# Altium PCB controllerboard 3.PcbDoc
Units mm, origin at the board's own origin, x right, y up, seen from the top; angles counter-clockwise.
Board outline 78.75 x 40.5 mm, 4 copper layers (Top Layer, Int1 (GND), Int2 (PWR), Bottom Layer), stack 1.591 mm thick; 84 components, 71 nets, 342 pads, 177 vias.
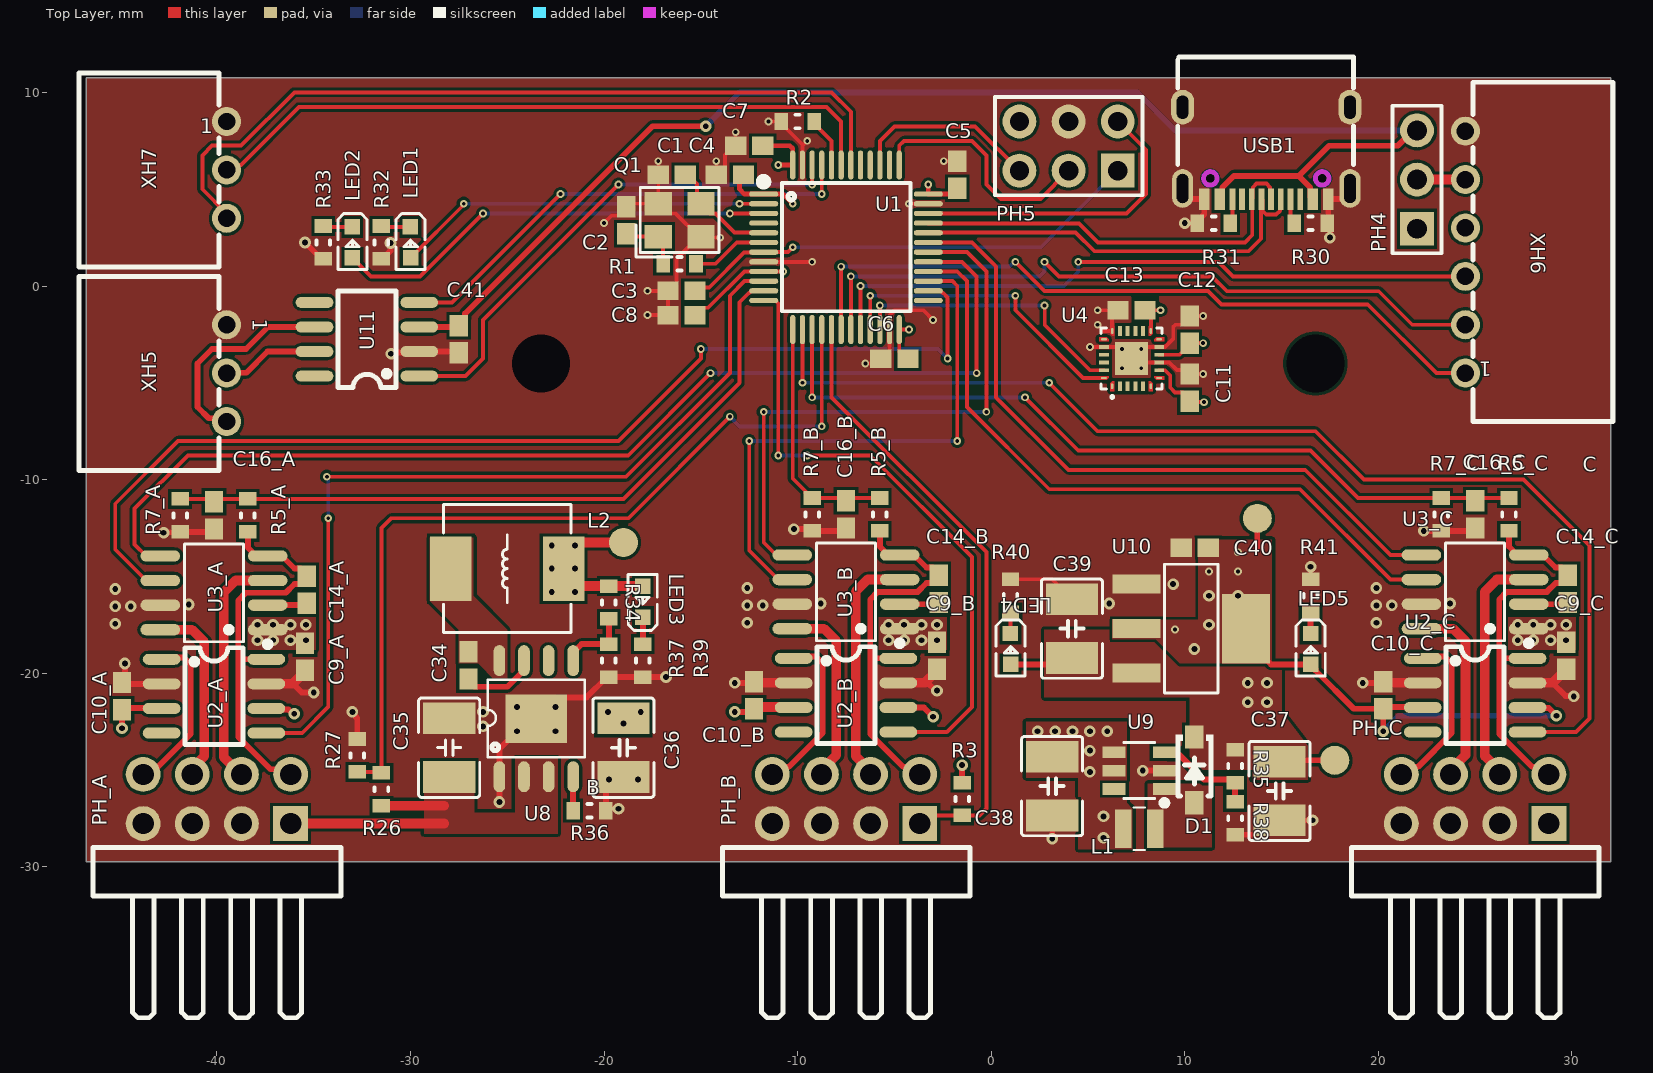
[diagram p0: Top Layer view]
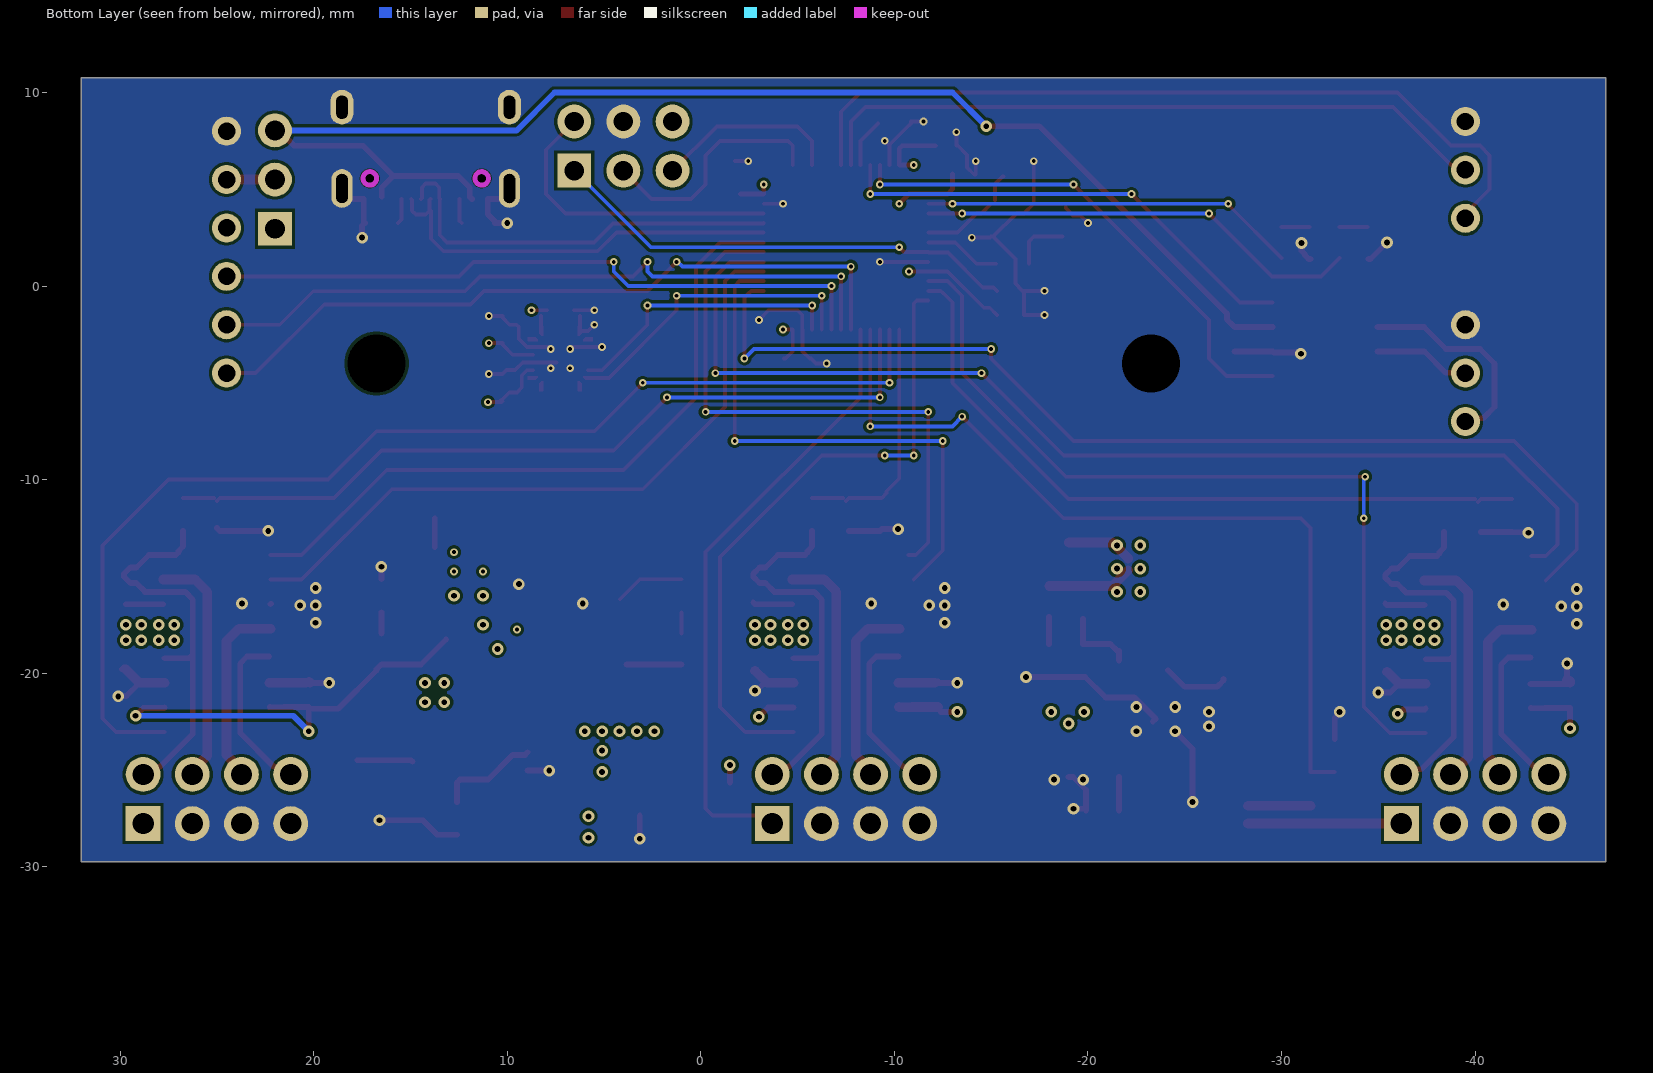
[diagram p1: Bottom Layer view, seen from below]
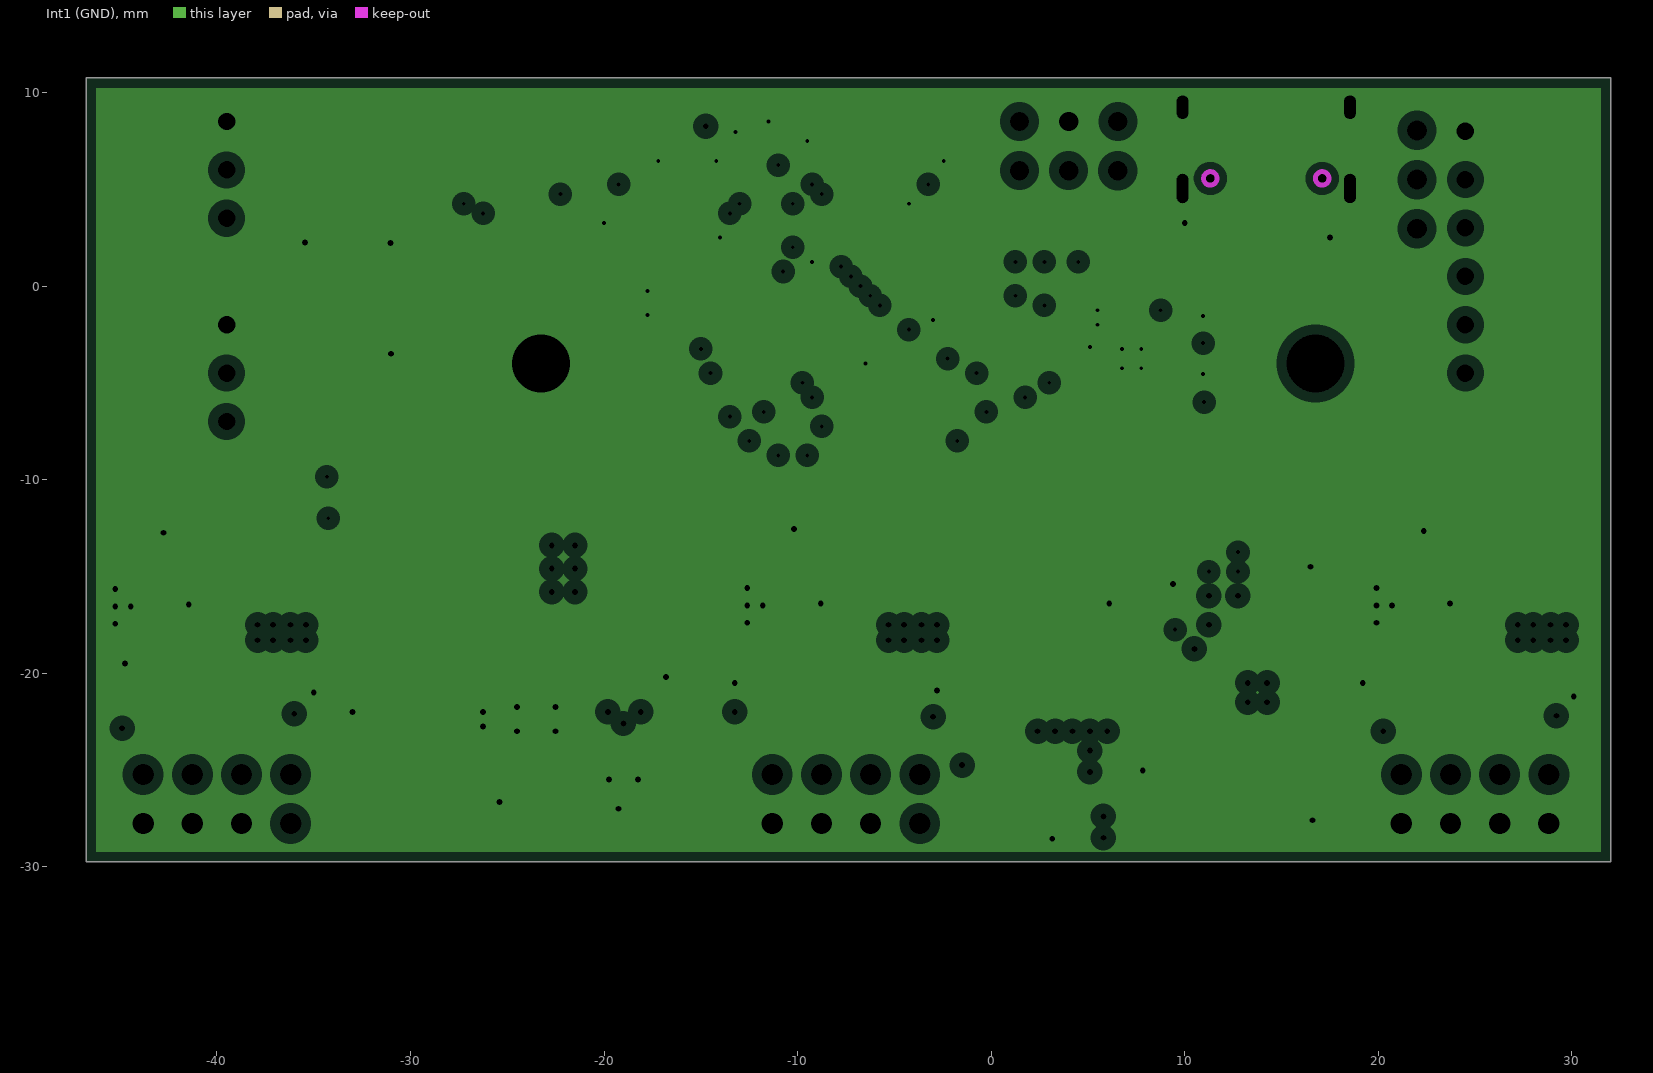
[diagram p2: Int1 (GND), clearances drawn from the general rule]
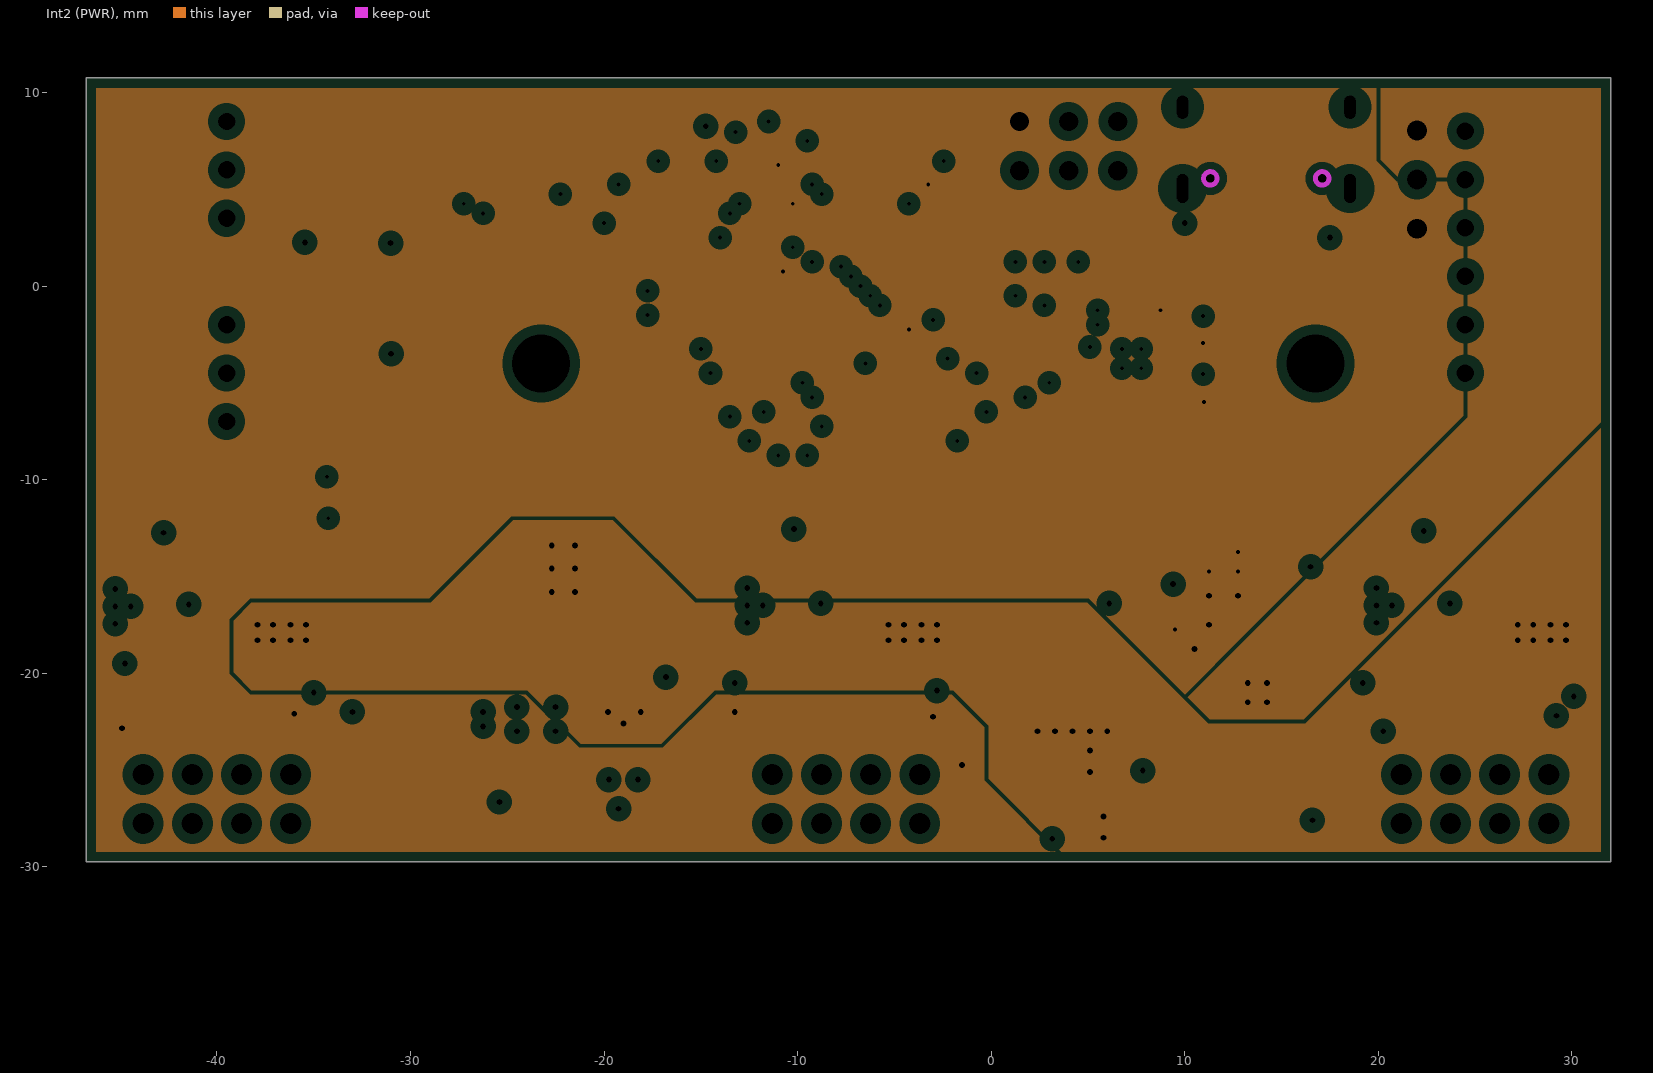
[diagram p3: Int2 (PWR), clearances drawn from the general rule]
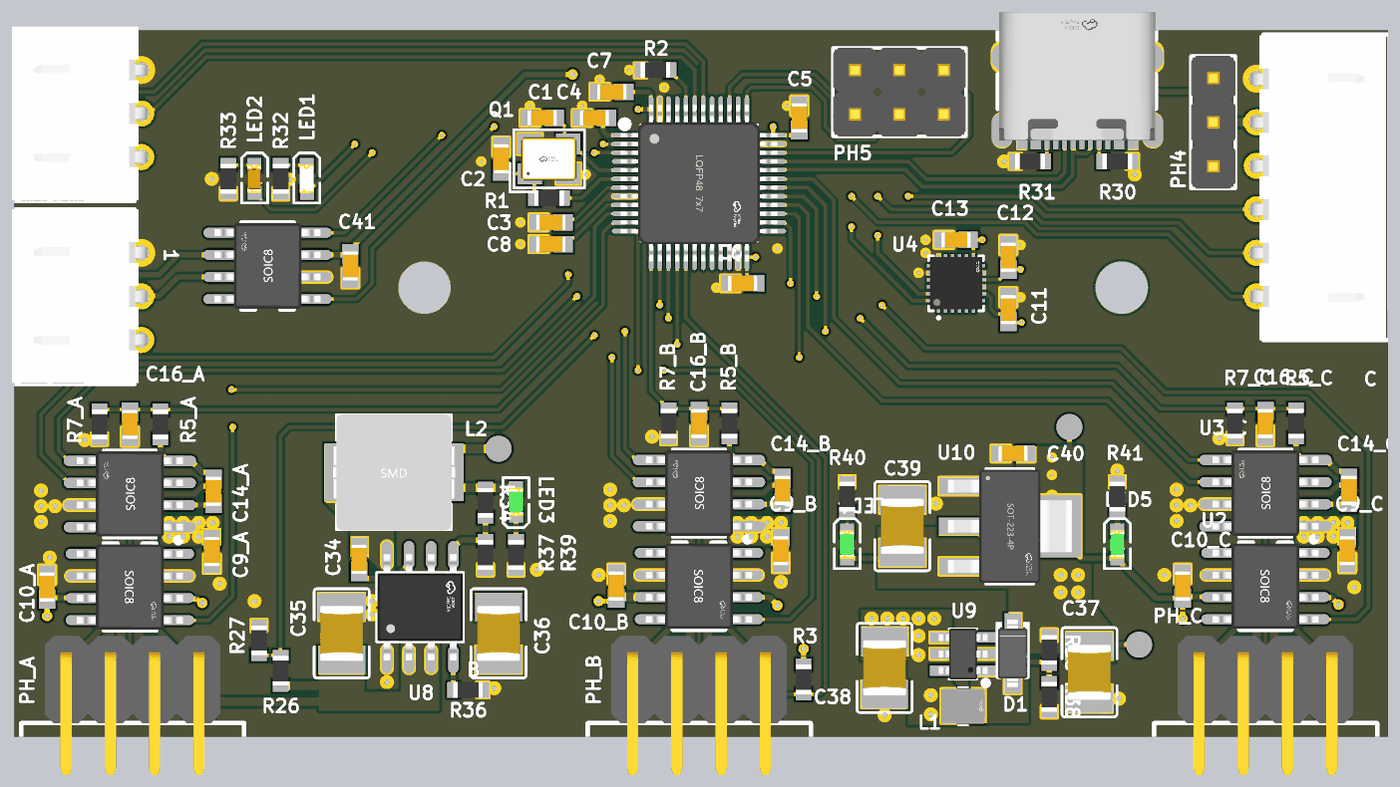
[diagram p4: 3D render of the assembled board from above, using the file's embedded part models]

## Layer stack, top to bottom
Top Solder: solder mask 0.0254, SM-001, Dk 4
Top Layer: signal copper 0.035
Dielectric 1: prepreg 0.2104, PP-017, Dk 4.4
Int1 (GND): plane copper 0.0175, net GND
Dielectric 3: core 1.065, Core-039, Dk 4.6
Int2 (PWR): plane copper 0.0175, net (Multiple Nets)
Dielectric 5: prepreg 0.2104, PP-017, Dk 4.4
Bottom Layer: signal copper 0.035
Bottom Solder: solder mask 0.0254, SM-001, Dk 4

## Board outline
-46.75,-29.75 -46.75,10.75 32,10.75 32,-29.75

## Design rules (kind name [scope] priority, off if disabled: settings)
Clearance [All] p1: gap=0.15 ignorepadtopadclearanceinfootprint=FALSE except(0: Arc-Hole Track-Hole SMDPad-Hole THPad-Hole Via-Hole Fill-Hole Poly-Hole Region-Hole Text-Hole)
DiffPairsRouting [All] p1: maxlimit=0.254 minlimit=0.2 mostfreqgap=0.254 toplayer_minwidth=0.2 toplayer_maxwidth=0.3 toplayer_prefwidth=0.2 bottomlayer_minwidth=0.2 bottomlayer_maxwidth=0.3 bottomlayer_prefwidth=0.2 maxuncoupledlength=12.7
MinimumSolderMaskSliver [All] p1: minsoldermaskwidth=0.075
PlaneClearance [All] p1: clearance=0.508
PlaneConnect [All] p1: planeconnectstyle=Direct reliefexpansion=0.508 reliefentries=4 reliefconductorwidth=0.254 reliefairgap=0.254
PolygonConnect [All] p1: connectstyle=Direct reliefconductorwidth=0.254 reliefentries=4 polygonreliefangle="90 Angle" airgapwidth=0.254
RoomDefinition C [InComponentClass('C')] p1: confinementstyle=ConfineIn formatcopy=TRUE lockcomponents=FALSE outline 17.5,-40 32.5,-40 32.5,-10 17.5,-10
RoomDefinition STM32 [InComponentClass('STM32')] p2: confinementstyle=ConfineIn formatcopy=TRUE lockcomponents=FALSE outline -20,-7.5 2.5,-7.5 2.5,11 -20,11
RoomDefinition A [InComponentClass('A')] p3: confinementstyle=ConfineIn formatcopy=TRUE lockcomponents=FALSE outline -47.5,-40 -32.5,-40 -32.5,-10 -47.5,-10
RoomDefinition B [InComponentClass('B')] p4: confinementstyle=ConfineIn formatcopy=TRUE lockcomponents=FALSE outline -15,-40 0,-40 0,-10 -15,-10
RoomDefinition LINREG [InComponentClass('LINREG')] p5: confinementstyle=ConfineIn formatcopy=TRUE lockcomponents=FALSE outline 2.02,-12.021 2.02,-22.021 15.52,-22.021 15.52,-12.021
RoomDefinition DCDC5 [InComponentClass('DCDC5')] p6: confinementstyle=ConfineIn formatcopy=TRUE lockcomponents=FALSE outline 0,-22.5 0,-30 17.5,-30 17.5,-22.5
RoomDefinition DCDC100 [InComponentClass('DCDC100')] p7: confinementstyle=ConfineIn formatcopy=TRUE lockcomponents=FALSE outline -30.085,-28.25 -17.085,-28.25 -17.085,-10.75 -30.085,-10.75
RoutingVias [All] p1: holewidth=0.5 width=1 viastyle="Through Hole" minholewidth=0.2 minwidth=0.4 maxholewidth=1 maxwidth=2
SilkToSilkClearance [All] p1: silktosilkclearance=0.15
SilkToSolderMaskClearance [IsPad] p1: minsilkscreentomaskgap=0.15 clearancetoexposedcopper=TRUE
SolderMaskExpansion [All] p1: expansion=0.102 istentingtop=FALSE
Width [All] p1: maxlimit=1 minlimit=0.15 preferedwidth=0.3
24 further rules are at their usual default settings.

## Classes and differential pairs
component class GYRO: C11 C12 C13 U4
channel class driver: A B C
component class C: C9_C C10_C C14_C C16_C PH_C R5_C R7_C U2_C U3_C
component class B: C9_B C10_B C14_B C16_B PH_B R5_B R7_B U2_B U3_B
component class A: C9_A C10_A C14_A C16_A PH_A R5_A R7_A U2_A U3_A
component class LINREG: C39 C40 U10
component class DCDC100: C34 C35 C36 L2 R34 R36 R37 U8
component class DCDC5: C37 C38 D1 L1 R35 R38 U9
component class STM32: C1 C2 C3 C4 C5 C6 C7 C8 Q1 R1 R2 U1
component class Power: C34 C35 C36 C37 C38 C39 C40 D1 L1 L2 LED3 LED4 LED5 R34 R35 R36 R37 R38 R39 R40 R41 U8 U9 U10
component class Overview: LED1 LED2 PH4 PH5 PH_A PH_B PH_C R3 R26 R27 R30 R31 R32 R33 USB1 XH5 XH6 XH7
component class CAN: C41 U11
differential pair USB: +USB_P -USB_N

## Components (designator, comment, footprint, x,y, rotation, side; value= is the part's Value field where it differs from the comment)
C1 "10p" CAP_0603 -16.5,5.75 r0 top
C2 "10p" CAP_0603 -18.85,3.4 r270 top
C3 "100n" CAP_0603 -16,-0.25 r0 top
C4 "1u" CAP_0603 -13.5,5.75 r0 top
C5 "100n" CAP_0603 -1.75,5.75 r270 top
C6 "100n" CAP_0603 -5,-3.75 r0 top
C7 "100n" CAP_0603 -12.5,7.25 r0 top
C8 "100n" CAP_0603 -16,-1.5 r0 top
C9_A "1u 12V" CAP_0603 -35.45,-19.15 r270 top (schematic designator C9)
C9_B "1u 12V" CAP_0603 -2.8,-19.1 r270 top (schematic designator C9)
C9_C "1u 12V" CAP_0603 29.7,-19.1 r270 top (schematic designator C9)
C10_A "100n" CAP_0603 -44.9,-21.187 r270 top (schematic designator C10)
C10_B "100n" CAP_0603 -12.25,-21.137 r270 top (schematic designator C10)
C10_C "100n" CAP_0603 20.25,-21.137 r270 top (schematic designator C10)
C11 "10n" CAP_0603 10.25,-5.25 r270 top
C12 "100n" CAP_0603 10.25,-2.25 r270 top
C13 "100n" CAP_0603 7.25,-1.25 r0 top
C14_A "100n 100V" CAP_0603 -35.355,-15.695 r270 top (schematic designator C14)
C14_B "100n 100V" CAP_0603 -2.705,-15.645 r270 top (schematic designator C14)
C14_C "100n 100V" CAP_0603 29.795,-15.645 r270 top (schematic designator C14)
C16_A "100n" CAP_0603 -40.15,-11.85 r90 top (schematic designator C16)
C16_B "100n" CAP_0603 -7.5,-11.8 r90 top (schematic designator C16)
C16_C "100n" CAP_0603 25,-11.8 r90 top (schematic designator C16)
C34 "2n2" CAP_0603 -27,-19.6 r90 top
C35 "4u7" FS32X475K101EGG -28,-23.85 r270 top
C36 "16V 47u" CAP_1210 -19,-23.85 r90 top
C37 "16V 47u" CAP_1210 14.9,-26.085 r90 top
C38 "16V 47u" CAP_1210 3.15,-25.835 r90 top
C39 "16V 47u" CAP_1210 4.17,-17.7 r270 top
C40 "10u" CAP_0603 10.52,-13.521 r0 top
C41 "100n" CAP_0603 -27.5,-2.75 r90 top
D1 "NRVB130T1G" NRVB130T1G 10.5,-25 r270 top
L1 "IND_4u7" FTC252010S4R7MBCA 7.65,-28.035 r0 top
L2 "68u" SMMS0650-680M -25,-14.6 r0 top
LED1 "WHITE_0603" WHITE_0603 -30,2.25 r270 top
LED2 "RED_0603" RED_0603 -33,2.25 r270 top
LED3 "GREEN_0603" GREEN_0603 -17.996,-16.299 r90 top
LED4 "GREEN_0603" GREEN_0603 1,-18.75 r270 top
LED5 "GREEN_0603" GREEN_0603 16.5,-18.75 r270 top
PH4 "HALL_VOLT" PH_1x3 22,2.96 r90 top
PH5 "PH_2x3" PH_2x3 6.54,5.96 r180 top
PH_A "PHASE_A" PH_2x4_M -40,-26.5 r0 top
PH_B "PHASE_B" PH_2x4_M -7.5,-26.5 r0 top
PH_C "PHASE_C" PH_2x4_M 25,-26.5 r0 top
Q1 "OSC_24M" OSC_24M -16.1,3.4 r0 top
R1 "22R" RES_0603 -16.1,1.15 r0 top
R2 "0R" RES_0603 -10,8.5 r0 top
R3 "10k" RES_0603 -1.5,-26.5 r90 top
R5_A "56k" RES_0603 -38.4,-11.85 r270 top (schematic designator R5)
R5_B "56k" RES_0603 -5.75,-11.8 r270 top (schematic designator R5)
R5_C "56k" RES_0603 26.75,-11.8 r270 top (schematic designator R5)
R7_A "1k8" RES_0603 -41.9,-11.85 r90 top (schematic designator R7)
R7_B "1k8" RES_0603 -9.25,-11.8 r90 top (schematic designator R7)
R7_C "1k8" RES_0603 23.25,-11.8 r90 top (schematic designator R7)
R26 "100k" RES_0603 -31.5,-26 r270 top
R27 "3k3" RES_0603 -32.75,-24.25 r270 top
R30 "5k1" RES_0603 16.5,3.25 r0 top
R31 "5k1" RES_0603 11.5,3.25 r180 top
R32 "30R" RES_0603 -31.5,2.25 r90 top
R33 "30R" RES_0603 -34.5,2.25 r90 top
R34 "448k" RES_0603 -19.75,-16.35 r90 top
R35 "110k" RES_0603 12.6,-24.8 r90 top
R36 "100k" RES_0603 -20.75,-27.1 r180 top
R37 "49k9" RES_0603 -19.75,-19.35 r90 top
R38 "15k" RES_0603 12.6,-27.5 r90 top
R39 "465R" RES_0603 -18,-19.35 r90 top
R40 "115R" RES_0603 1,-16 r270 top
R41 "30R" RES_0603 16.5,-16 r270 top
U1 "STM32F103CBT6" STM32F103CBT6 -7.5,2 r270 top
U2_A "INA240A1DR" INA240A1DR -40.15,-21.187 r270 top (schematic designator U2)
U2_B "INA240A1DR" INA240A1DR -7.5,-21.137 r270 top (schematic designator U2)
U2_C "INA240A1DR" INA240A1DR 25,-21.137 r270 top (schematic designator U2)
U3_A "UCC27282DR" UCC27282DR -40.15,-15.85 r90 top (schematic designator U3)
U3_B "UCC27282DR" UCC27282DR -7.5,-15.8 r90 top (schematic designator U3)
U3_C "UCC27282DR" UCC27282DR 25,-15.8 r90 top (schematic designator U3)
U4 "MPU-6500" MPU-6500 7.25,-3.75 r0 top
U8 "LM5164DDAR" LM5164DDAR -23.501,-22.35 r0 top
U9 "MT3608L" MT3608L 7.65,-25.035 r90 top
U10 "AMS1117-3.3" AMS1117-3.3 10.335,-17.7 r180 top
U11 "TJA1050T/CM,118" TJA1050T/CM,118 -32.25,-2.75 r90 top
USB1 "USB_C" USB_C 14.5,8 r180 top
XH5 "CAN" XY-XHB2.54-3A21 -39.5,-4.5 r270 top
XH6 "HALL" XY-XHB2.54-6A21 24.5,1.75 r90 top
XH7 "USART" XY-XHB2.54-3A21 -39.5,6 r270 top

## Footprints (in the part's own frame and the unit in brackets; to place one, negate y for a bottom-side part, rotate by r counter-clockwise, add the part's x,y. Pads: shape width x height; smd on the part's side, far side on the other; paste and mask are expansions set on the pad)
AMS1117-3.3 [mm] "1A 60dB@(120Hz) Fixed 3.3V Positive electrode 12V SOT-223 Voltage Regulators - Linear, Low Drop Out (LDO) Regulators ROHS"
  rect 2.47x0.98 smd: 1(2.835,-2.3) 2(2.835,0) 3(2.835,2.3)
  rect 2.47x3.6 smd: 4(-2.835,0)
  silkscreen extent -1.37,-3.33 1.37,3.33, body extent -3.55,-3.25 3.55,3.25, height 1.7
CAP_0603 [mm] "Capacitor SMD 0603 Generic"
  rect 1.1x0.95 smd: 1(-0.7,0) 2(0.7,0)
  body extent -0.85,-0.45 0.85,0.45, height 0.9
CAP_1210 [mm] "16V 47uF X5R ±10% 1210 Multilayer Ceramic Capacitors MLCC - SMD/SMT ROHS"
  rect 1.635x2.7 smd paste-100 mask+0.051: 1(-1.517,0) 2(1.517,0)
  silkscreen extent -2.56,-1.58 2.56,1.58, body extent -1.6,-1.25 1.6,1.25, height 2.5
FS32X475K101EGG [mm] "100V 4.7uF X7R ±10% 1210 Multilayer Ceramic Capacitors MLCC - SMD/SMT ROHS"
  rect 1.635x2.7 smd paste-100 mask+0.051: 1(-1.517,0) 2(1.517,0)
  silkscreen extent -2.56,-1.58 2.56,1.58, body extent -1.6,-1.25 1.6,1.25, height 2.5
FTC252010S4R7MBCA [mm] "2A 4.7uH Integrated molded inductor ±20% 2.6A SMD,2x2.5mm Power Inductors ROHS"
  rect 0.85x2 smd: 1(-0.83,0) 2(0.83,0)
  silkscreen extent -0.29,-1.1 0.29,1.1, body extent -1.25,-1 1.25,1, height 1.21
GREEN_0603 [mm] "20mA 810mcd Colorless Transparent Lens Independent Diode 515nm~535nm -20?~+85? Positive Stick Emerald 120° 70mW 3.3V 0603 LED Indication - Discrete ROHS"
  rect 0.8x0.8 smd paste+0 mask+0.051: 1(-0.799,-0.004) 2(0.799,0.004)
  silkscreen extent -1.49,-0.75 1.39,0.76, body extent -0.81,-0.41 0.81,0.4, height 0.61
INA240A1DR [mil]
  oval 22.38x76.78 smd: 1(-75,-106.5) 2(-25,-106.5) 3(25,-106.5) 4(75,-106.5) 5(75,106.5) 6(25,106.5) 7(-25,106.5) 8(-75,106.5)
  silkscreen extent -98,-59 98,59, body extent -96,-120 96,120, height 69
LM5164DDAR [mm] "Step-down type 1A 6V~100V SO-8-EP DC-DC Converters ROHS"
  oval 0.6x1.6 smd: 1(-1.905,-3) 2(-0.635,-3) 3(0.635,-3) 4(1.905,-3) 5(1.905,3) 6(0.635,3) 7(-0.635,3) 8(-1.905,3)
  rect 3.2x2.5 smd: 9(0,0)
  silkscreen extent -2.5,-2 2.5,2, body extent -2.45,-3.05 2.45,3.05, height 1.6
MPU-6500 [mm]
  oval 0.12x0.303 smd: 1(-1,-1.427) 6(1,-1.427) 13(1,1.427) 18(-1,1.427)
  rect 0.2x0.505 smd paste-100 mask+0.051: 2(-0.6,-1.427) 3(-0.2,-1.427) 4(0.2,-1.427) 5(0.6,-1.427) 14(0.6,1.427) 15(0.2,1.427) 16(-0.2,1.427) 17(-0.6,1.427)
  oval 0.303x0.12 smd: 7(1.427,-1) 12(1.427,1) 19(-1.427,1) 24(-1.427,-1)
  rect 0.505x0.2 smd paste-100 mask+0.051: 8(1.427,-0.6) 9(1.427,-0.2) 10(1.427,0.2) 11(1.427,0.6) 20(-1.427,0.6) 21(-1.427,0.2) 22(-1.427,-0.2) 23(-1.427,-0.6)
  rect 1.7x1.7 smd paste-100 mask+0.051: 25(0,0)
  Top Layer region: -1.68,1.1 -1.274,1.1 -1.174,1 -1.175,0.9 -1.68,0.9 -1.68,1.1
  Top Layer region: 1.1,-1.68 0.9,-1.68 0.9,-1.175 1,-1.175 1.1,-1.275 1.1,-1.68
  Top Layer region: -1.1,-1.68 -1.1,-1.275 -1,-1.174 -0.9,-1.175 -0.9,-1.68 -1.1,-1.68
  Top Layer region: 1.1,1.68 1.1,1.274 1,1.174 0.9,1.175 0.9,1.68 1.1,1.68
  Top Layer region: 1.68,1.1 1.68,0.9 1.175,0.9 1.174,1 1.274,1.1 1.68,1.1
  Top Layer region: 1.68,-1.1 1.275,-1.1 1.175,-1 1.175,-0.9 1.68,-0.9 1.68,-1.1
  Top Layer region: -1.68,-1.1 -1.68,-0.9 -1.175,-0.9 -1.174,-1 -1.274,-1.1 -1.68,-1.1
  Top Layer region: -1.1,1.68 -0.9,1.68 -0.9,1.175 -1,1.174 -1.1,1.274 -1.1,1.68
  silkscreen extent -1.58,-2.05 1.58,1.58, body extent -1.5,-1.5 1.5,1.5, height 0.91
MT3608L [mm] "2.2V~16V 2.5A SOT-23-6 DC-DC Converters ROHS"
  rect 0.6x1.2 smd: 1(-0.95,-1.3) 2(0,-1.3) 3(0.95,-1.3) 4(0.95,1.3) 5(0,1.3) 6(-0.95,1.3)
  silkscreen extent -1.82,-1.45 1.45,0.8, body extent -1.45,-1.4 1.45,1.4, height 1.15
NRVB130T1G [mm] "30V 1A 350mV@100mA SOD-123 Schottky Diodes ROHS"
  rect 1.2x0.95 smd: 1(-1.7,0) 2(1.7,0)
  silkscreen extent -1.81,-0.98 1.35,0.98, body extent -1.92,-0.85 1.92,0.85, height 1.45
OSC_24M [mm] "OT2EL4C4JI-111OLP-24M 24Mhz Crystal Oscillator"
  rect 1.4x1.2 smd: 1(-1.1,-0.85) 2(1.1,-0.85) 3(1.1,0.85) 4(-1.1,0.85)
  silkscreen extent -2.26,-1.91 2.03,1.68, body extent -1.62,-1.25 1.58,1.25, height 0.79
PH_1x3 [mm]
  rect 1.75x1.75 hole 1.02: 1(0,0)
  round 1.75 hole 1.02: 2(2.54,0) 3(5.08,0)
  silkscreen extent -1.27,-1.27 6.35,1.27, body extent -1.27,-1.27 6.36,1.27, height 8.47
PH_2x3 [mm]
  rect 1.75x1.75 hole 1.02: 1(0,0)
  round 1.75 hole 1: 2(0,-2.54) 3(2.54,0) 4(2.54,-2.54) 5(5.08,0) 6(5.08,-2.54)
  silkscreen extent -1.27,-3.81 6.35,1.27, body extent -1.27,-3.81 6.36,1.27, height 8.47
PH_2x4_M [mm]
  rect 1.8x1.8 hole 1.1: 1(3.81,-1.27)
  round 1.8 hole 1.1: 2(3.81,1.27) 3(1.27,-1.27) 4(1.27,1.27) 5(-1.27,-1.27) 6(-1.27,1.27) 7(-3.81,-1.27) 8(-3.81,1.27)
  silkscreen extent -6.39,-11.3 6.41,-2.51, body extent -5.03,-5.5 5.04,2.5, height 6.9
RED_0603 [mm] "20mA 330mcd Colorless Transparent Lens -20?~+85? Positive Stick 620nm~630nm Red 120° 50mW 2.3V 0603 LED Indication - Discrete ROHS"
  rect 0.8x0.8 smd paste+0 mask+0.051: 1(-0.8,-0.003) 2(0.8,0.003)
  silkscreen extent -1.49,-0.75 1.39,0.76, body extent -0.81,-0.41 0.81,0.4, height 0.61
RES_0603 [mm] "Chip Resistor, 2-Leads, Body 1,60x0,80mm, IPC Medium Density"
  rect 0.7x0.9 smd: 1(-0.85,0) 2(0.85,0)
  silkscreen extent -0.1,-0.35 0.1,0.35, body extent -0.85,-0.45 0.85,0.45, height 0.55
SMMS0650-680M [mm] "1.5A 68uH Integrated molded inductor ±20% 2A SMD,6.6x7.1mm Power Inductors ROHS"
  rect 2.15x3.32 smd: 1(-2.913,0) 2(2.913,0)
  silkscreen extent -3.3,-3.3 3.3,3.3, body extent -3.5,-3.35 3.5,3.35, height 3.1
STM32F103CBT6 [mm] "Mainstream enhanced ARM Cortex-M3 MCU, featuring 128 KB Flash, 72 MHz CPU, motor control, USB, and CAN."